# Altium PCB pay-optical-tls2591.PcbDoc (part 1 of 4) (continued)
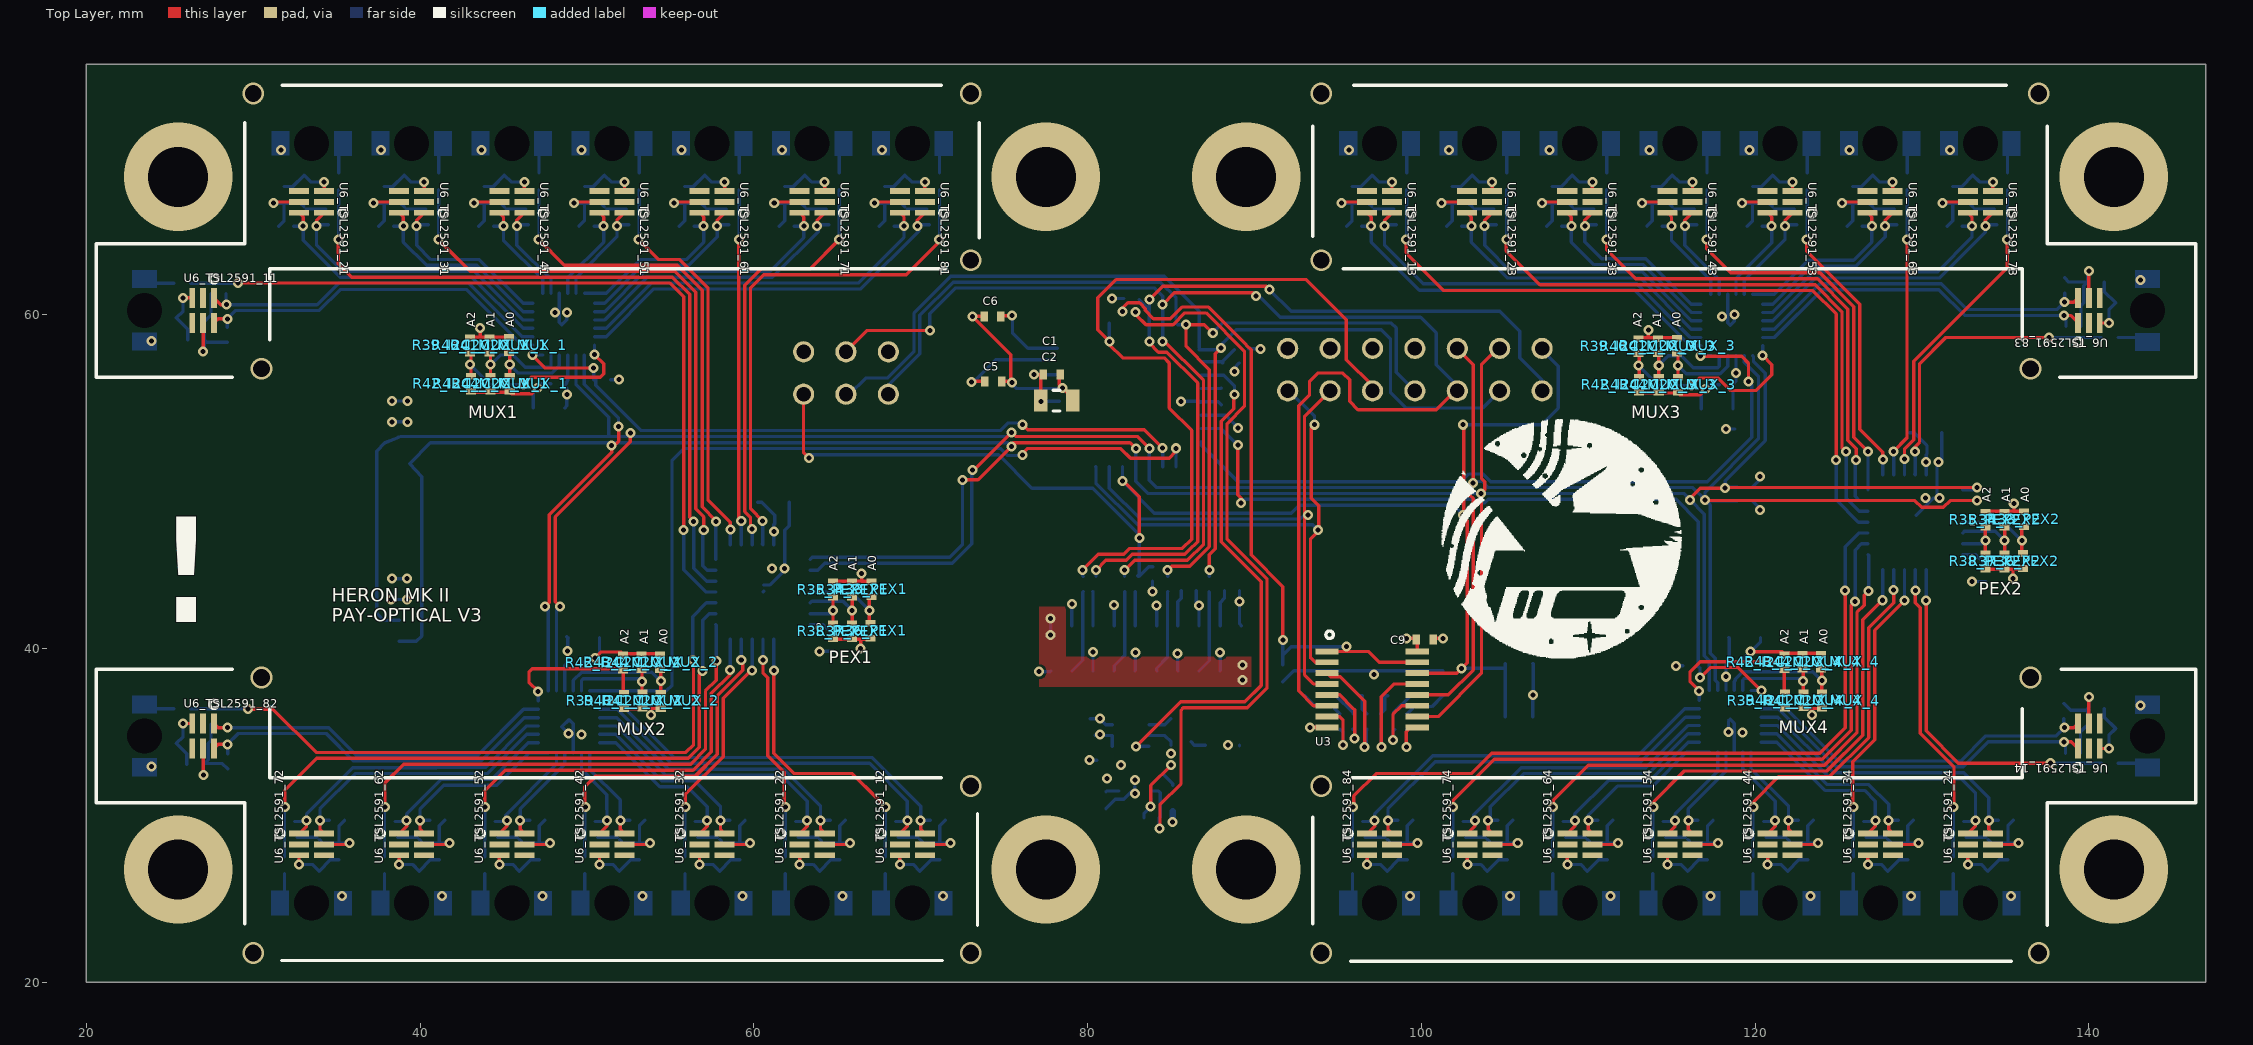
[diagram p0: Top Layer view]
## Classes and differential pairs
channel class TSL2591: TSL2591_11 TSL2591_12 TSL2591_13 TSL2591_14 TSL2591_21 TSL2591_22 TSL2591_23 TSL2591_24 TSL2591_31 TSL2591_32 TSL2591_33 TSL2591_34 TSL2591_41 TSL2591_42 TSL2591_43 TSL2591_44 TSL2591_51 TSL2591_52 TSL2591_53 TSL2591_54 TSL2591_61 TSL2591_62 TSL2591_63 TSL2591_64 TSL2591_71 TSL2591_72 TSL2591_73 TSL2591_74 TSL2591_81 TSL2591_82 TSL2591_83 TSL2591_84
channel class "Sensor Bank": SENS1 SENS2 SENS3 SENS4
channel class "Port Expander": PEX1 PEX2
channel class "I2C Mux": I2C_MUX_1 I2C_MUX_2 I2C_MUX_3 I2C_MUX_4
component class TSL2591_84: C11_TSL2591_84 C13_TSL2591_84 D7_TSL2591_84 R22_TSL2591_84 R23_TSL2591_84 R24_TSL2591_84 U6_TSL2591_84
component class TSL2591_83: C11_TSL2591_83 C13_TSL2591_83 D7_TSL2591_83 R22_TSL2591_83 R23_TSL2591_83 R24_TSL2591_83 U6_TSL2591_83
component class TSL2591_82: C11_TSL2591_82 C13_TSL2591_82 D7_TSL2591_82 R22_TSL2591_82 R23_TSL2591_82 R24_TSL2591_82 U6_TSL2591_82
component class TSL2591_81: C11_TSL2591_81 C13_TSL2591_81 D7_TSL2591_81 R22_TSL2591_81 R23_TSL2591_81 R24_TSL2591_81 U6_TSL2591_81
component class TSL2591_74: C11_TSL2591_74 C13_TSL2591_74 D7_TSL2591_74 R22_TSL2591_74 R23_TSL2591_74 R24_TSL2591_74 U6_TSL2591_74
component class TSL2591_73: C11_TSL2591_73 C13_TSL2591_73 D7_TSL2591_73 R22_TSL2591_73 R23_TSL2591_73 R24_TSL2591_73 U6_TSL2591_73
component class TSL2591_72: C11_TSL2591_72 C13_TSL2591_72 D7_TSL2591_72 R22_TSL2591_72 R23_TSL2591_72 R24_TSL2591_72 U6_TSL2591_72
component class TSL2591_71: C11_TSL2591_71 C13_TSL2591_71 D7_TSL2591_71 R22_TSL2591_71 R23_TSL2591_71 R24_TSL2591_71 U6_TSL2591_71
component class TSL2591_64: C11_TSL2591_64 C13_TSL2591_64 D7_TSL2591_64 R22_TSL2591_64 R23_TSL2591_64 R24_TSL2591_64 U6_TSL2591_64
component class TSL2591_63: C11_TSL2591_63 C13_TSL2591_63 D7_TSL2591_63 R22_TSL2591_63 R23_TSL2591_63 R24_TSL2591_63 U6_TSL2591_63
component class TSL2591_62: C11_TSL2591_62 C13_TSL2591_62 D7_TSL2591_62 R22_TSL2591_62 R23_TSL2591_62 R24_TSL2591_62 U6_TSL2591_62
component class TSL2591_61: C11_TSL2591_61 C13_TSL2591_61 D7_TSL2591_61 R22_TSL2591_61 R23_TSL2591_61 R24_TSL2591_61 U6_TSL2591_61
component class TSL2591_54: C11_TSL2591_54 C13_TSL2591_54 D7_TSL2591_54 R22_TSL2591_54 R23_TSL2591_54 R24_TSL2591_54 U6_TSL2591_54
component class TSL2591_53: C11_TSL2591_53 C13_TSL2591_53 D7_TSL2591_53 R22_TSL2591_53 R23_TSL2591_53 R24_TSL2591_53 U6_TSL2591_53
component class TSL2591_52: C11_TSL2591_52 C13_TSL2591_52 D7_TSL2591_52 R22_TSL2591_52 R23_TSL2591_52 R24_TSL2591_52 U6_TSL2591_52
component class TSL2591_51: C11_TSL2591_51 C13_TSL2591_51 D7_TSL2591_51 R22_TSL2591_51 R23_TSL2591_51 R24_TSL2591_51 U6_TSL2591_51
component class TSL2591_44: C11_TSL2591_44 C13_TSL2591_44 D7_TSL2591_44 R22_TSL2591_44 R23_TSL2591_44 R24_TSL2591_44 U6_TSL2591_44
component class TSL2591_43: C11_TSL2591_43 C13_TSL2591_43 D7_TSL2591_43 R22_TSL2591_43 R23_TSL2591_43 R24_TSL2591_43 U6_TSL2591_43
component class TSL2591_42: C11_TSL2591_42 C13_TSL2591_42 D7_TSL2591_42 R22_TSL2591_42 R23_TSL2591_42 R24_TSL2591_42 U6_TSL2591_42
component class TSL2591_41: C11_TSL2591_41 C13_TSL2591_41 D7_TSL2591_41 R22_TSL2591_41 R23_TSL2591_41 R24_TSL2591_41 U6_TSL2591_41
component class TSL2591_34: C11_TSL2591_34 C13_TSL2591_34 D7_TSL2591_34 R22_TSL2591_34 R23_TSL2591_34 R24_TSL2591_34 U6_TSL2591_34
component class TSL2591_33: C11_TSL2591_33 C13_TSL2591_33 D7_TSL2591_33 R22_TSL2591_33 R23_TSL2591_33 R24_TSL2591_33 U6_TSL2591_33
component class TSL2591_32: C11_TSL2591_32 C13_TSL2591_32 D7_TSL2591_32 R22_TSL2591_32 R23_TSL2591_32 R24_TSL2591_32 U6_TSL2591_32
component class TSL2591_31: C11_TSL2591_31 C13_TSL2591_31 D7_TSL2591_31 R22_TSL2591_31 R23_TSL2591_31 R24_TSL2591_31 U6_TSL2591_31
component class TSL2591_24: C11_TSL2591_24 C13_TSL2591_24 D7_TSL2591_24 R22_TSL2591_24 R23_TSL2591_24 R24_TSL2591_24 U6_TSL2591_24
component class TSL2591_23: C11_TSL2591_23 C13_TSL2591_23 D7_TSL2591_23 R22_TSL2591_23 R23_TSL2591_23 R24_TSL2591_23 U6_TSL2591_23
component class TSL2591_22: C11_TSL2591_22 C13_TSL2591_22 D7_TSL2591_22 R22_TSL2591_22 R23_TSL2591_22 R24_TSL2591_22 U6_TSL2591_22
component class TSL2591_21: C11_TSL2591_21 C13_TSL2591_21 D7_TSL2591_21 R22_TSL2591_21 R23_TSL2591_21 R24_TSL2591_21 U6_TSL2591_21
component class TSL2591_14: C11_TSL2591_14 C13_TSL2591_14 D7_TSL2591_14 R22_TSL2591_14 R23_TSL2591_14 R24_TSL2591_14 U6_TSL2591_14
component class TSL2591_13: C11_TSL2591_13 C13_TSL2591_13 D7_TSL2591_13 R22_TSL2591_13 R23_TSL2591_13 R24_TSL2591_13 U6_TSL2591_13
component class TSL2591_12: C11_TSL2591_12 C13_TSL2591_12 D7_TSL2591_12 R22_TSL2591_12 R23_TSL2591_12 R24_TSL2591_12 U6_TSL2591_12
component class TSL2591_11: C11_TSL2591_11 C13_TSL2591_11 D7_TSL2591_11 R22_TSL2591_11 R23_TSL2591_11 R24_TSL2591_11 U6_TSL2591_11
component class TOP: J2 J3 LED1 LED2 R4 R5 R14 R15 R16 R17 R18 R19 R20 R21
component class PEX2: C12_PEX2 C15_PEX2 R32_PEX2 R33_PEX2 R34_PEX2 R35_PEX2 R36_PEX2 R37_PEX2 R38_PEX2 U5_PEX2
component class PEX1: C12_PEX1 C15_PEX1 R32_PEX1 R33_PEX1 R34_PEX1 R35_PEX1 R36_PEX1 R37_PEX1 R38_PEX1 U5_PEX1
component class MICRO: C1 C2 C3 C4 C5 C6 J1 R1 R2 R3 S1 U1 Y1
component class LEDs: C9 D1 D2 D3 D4 D5 D6 R7 R8 R9 R10 R11 R12 R13 U3
component class PWR: C7 C8 C16 C17 C18 C19 C20 L1 R6 R25 R26 R27 U2 U7
component class I2C_MUX_4: C10_I2C_MUX_4 C14_I2C_MUX_4 R39_I2C_MUX_4 R40_I2C_MUX_4 R41_I2C_MUX_4 R42_I2C_MUX_4 R43_I2C_MUX_4 R44_I2C_MUX_4 R45_I2C_MUX_4 U4_I2C_MUX_4
component class I2C_MUX_3: C10_I2C_MUX_3 C14_I2C_MUX_3 R39_I2C_MUX_3 R40_I2C_MUX_3 R41_I2C_MUX_3 R42_I2C_MUX_3 R43_I2C_MUX_3 R44_I2C_MUX_3 R45_I2C_MUX_3 U4_I2C_MUX_3
component class I2C_MUX_2: C10_I2C_MUX_2 C14_I2C_MUX_2 R39_I2C_MUX_2 R40_I2C_MUX_2 R41_I2C_MUX_2 R42_I2C_MUX_2 R43_I2C_MUX_2 R44_I2C_MUX_2 R45_I2C_MUX_2 U4_I2C_MUX_2
component class I2C_MUX_1: C10_I2C_MUX_1 C14_I2C_MUX_1 R39_I2C_MUX_1 R40_I2C_MUX_1 R41_I2C_MUX_1 R42_I2C_MUX_1 R43_I2C_MUX_1 R44_I2C_MUX_1 R45_I2C_MUX_1 U4_I2C_MUX_1

## Components (designator, comment, footprint, x,y, rotation, side; value= is the part's Value field where it differs from the comment)
C1 "0402" CAP0402R 77.85,56.4 r180 top value=0.1uF
C2 "0805" CAP0805R 78.15,54.85 r180 top value=10uF
C3 "0402" CAP0402R 88,55.15 r90 bottom value=0.1uF
C4 "0402" CAP0402R 88.6,57.1 r180 bottom value=0.1uF
C5 "0402" CAP0402R 74.35,56 r180 top value=22pF
C6 "0402" CAP0402R 74.3,59.9 r0 top value=22pF
C7 "0402" CAP0402R 87.45,35.1 r180 bottom value=10000pF
C8 "0603" CAP0603R 86.2,35.1 r90 bottom value=1uF
C9 "0402" CAP0402R 100.2,40.538 r180 top value=0.1uF
C10_I2C_MUX_1 "0402" CAP0402R 48.25,55.851 r0 bottom value=0.1uF (schematic designator C10)
C10_I2C_MUX_2 "0402" CAP0402R 49.276,39.175 r180 bottom value=0.1uF (schematic designator C10)
C10_I2C_MUX_3 "0402" CAP0402R 118.249,55.854 r0 bottom value=0.1uF (schematic designator C10)
C10_I2C_MUX_4 "0402" CAP0402R 118.85,39.199 r180 bottom value=0.1uF (schematic designator C10)
C11_TSL2591_11 "0805" CAP0805R 26.349,59.801 r0 bottom value=10uF (schematic designator C11)
C11_TSL2591_12 "0805" CAP0805R 69.949,27.599 r90 bottom value=10uF (schematic designator C11)
C11_TSL2591_13 "0805" CAP0805R 97.043,67.401 r270 bottom value=10uF (schematic designator C11)
C11_TSL2591_14 "0805" CAP0805R 140.651,35.199 r180 bottom value=10uF (schematic designator C11)
C11_TSL2591_21 "0805" CAP0805R 33.051,67.401 r270 bottom value=10uF (schematic designator C11)
C11_TSL2591_22 "0805" CAP0805R 63.949,27.599 r90 bottom value=10uF (schematic designator C11)
C11_TSL2591_23 "0805" CAP0805R 103.043,67.401 r270 bottom value=10uF (schematic designator C11)
C11_TSL2591_24 "0805" CAP0805R 133.949,27.599 r90 bottom value=10uF (schematic designator C11)
C11_TSL2591_31 "0805" CAP0805R 39.051,67.401 r270 bottom value=10uF (schematic designator C11)
C11_TSL2591_32 "0805" CAP0805R 57.949,27.599 r90 bottom value=10uF (schematic designator C11)
C11_TSL2591_33 "0805" CAP0805R 109.043,67.401 r270 bottom value=10uF (schematic designator C11)
C11_TSL2591_34 "0805" CAP0805R 127.949,27.599 r90 bottom value=10uF (schematic designator C11)
C11_TSL2591_41 "0805" CAP0805R 45.051,67.401 r270 bottom value=10uF (schematic designator C11)
C11_TSL2591_42 "0805" CAP0805R 51.949,27.599 r90 bottom value=10uF (schematic designator C11)
C11_TSL2591_43 "0805" CAP0805R 115.043,67.401 r270 bottom value=10uF (schematic designator C11)
C11_TSL2591_44 "0805" CAP0805R 121.949,27.599 r90 bottom value=10uF (schematic designator C11)
C11_TSL2591_51 "0805" CAP0805R 51.051,67.401 r270 bottom value=10uF (schematic designator C11)
C11_TSL2591_52 "0805" CAP0805R 45.949,27.599 r90 bottom value=10uF (schematic designator C11)
C11_TSL2591_53 "0805" CAP0805R 121.043,67.401 r270 bottom value=10uF (schematic designator C11)
C11_TSL2591_54 "0805" CAP0805R 115.949,27.599 r90 bottom value=10uF (schematic designator C11)
C11_TSL2591_61 "0805" CAP0805R 57.051,67.401 r270 bottom value=10uF (schematic designator C11)
C11_TSL2591_62 "0805" CAP0805R 39.949,27.599 r90 bottom value=10uF (schematic designator C11)
C11_TSL2591_63 "0805" CAP0805R 127.043,67.401 r270 bottom value=10uF (schematic designator C11)
C11_TSL2591_64 "0805" CAP0805R 109.949,27.599 r90 bottom value=10uF (schematic designator C11)
C11_TSL2591_71 "0805" CAP0805R 63.051,67.401 r270 bottom value=10uF (schematic designator C11)
C11_TSL2591_72 "0805" CAP0805R 33.949,27.599 r90 bottom value=10uF (schematic designator C11)
C11_TSL2591_73 "0805" CAP0805R 133.043,67.401 r270 bottom value=10uF (schematic designator C11)
C11_TSL2591_74 "0805" CAP0805R 103.949,27.599 r90 bottom value=10uF (schematic designator C11)
C11_TSL2591_81 "0805" CAP0805R 69.051,67.401 r270 bottom value=10uF (schematic designator C11)
C11_TSL2591_82 "0805" CAP0805R 26.349,34.301 r0 bottom value=10uF (schematic designator C11)
C11_TSL2591_83 "0805" CAP0805R 140.651,60.698 r180 bottom value=10uF (schematic designator C11)
C11_TSL2591_84 "0805" CAP0805R 97.949,27.599 r90 bottom value=10uF (schematic designator C11)
C12_PEX1 "0805" CAP0805R 61.171,48.947 r180 bottom value=10uF (schematic designator C12)
C12_PEX2 "0805" CAP0805R 130.223,52.93 r180 bottom value=10uF (schematic designator C12)
C13_TSL2591_11 "0402" CAP0402R 26.574,58.501 r0 bottom value=0.1uF (schematic designator C13)
C13_TSL2591_12 "0402" CAP0402R 71.171,27.825 r90 bottom value=0.1uF (schematic designator C13)
C13_TSL2591_13 "0402" CAP0402R 95.821,67.175 r270 bottom value=0.1uF (schematic designator C13)
C13_TSL2591_14 "0402" CAP0402R 140.426,36.399 r180 bottom value=0.1uF (schematic designator C13)
C13_TSL2591_21 "0402" CAP0402R 31.829,67.176 r270 bottom value=0.1uF (schematic designator C13)
C13_TSL2591_22 "0402" CAP0402R 65.171,27.825 r90 bottom value=0.1uF (schematic designator C13)
C13_TSL2591_23 "0402" CAP0402R 101.821,67.175 r270 bottom value=0.1uF (schematic designator C13)
C13_TSL2591_24 "0402" CAP0402R 135.171,27.824 r90 bottom value=0.1uF (schematic designator C13)
C13_TSL2591_31 "0402" CAP0402R 37.829,67.176 r270 bottom value=0.1uF (schematic designator C13)
C13_TSL2591_32 "0402" CAP0402R 59.171,27.825 r90 bottom value=0.1uF (schematic designator C13)
C13_TSL2591_33 "0402" CAP0402R 107.821,67.175 r270 bottom value=0.1uF (schematic designator C13)
C13_TSL2591_34 "0402" CAP0402R 129.171,27.824 r90 bottom value=0.1uF (schematic designator C13)
C13_TSL2591_41 "0402" CAP0402R 43.829,67.176 r270 bottom value=0.1uF (schematic designator C13)
C13_TSL2591_42 "0402" CAP0402R 53.171,27.825 r90 bottom value=0.1uF (schematic designator C13)
C13_TSL2591_43 "0402" CAP0402R 113.821,67.175 r270 bottom value=0.1uF (schematic designator C13)
C13_TSL2591_44 "0402" CAP0402R 123.171,27.824 r90 bottom value=0.1uF (schematic designator C13)
C13_TSL2591_51 "0402" CAP0402R 49.829,67.176 r270 bottom value=0.1uF (schematic designator C13)
C13_TSL2591_52 "0402" CAP0402R 47.171,27.825 r90 bottom value=0.1uF (schematic designator C13)
C13_TSL2591_53 "0402" CAP0402R 119.821,67.175 r270 bottom value=0.1uF (schematic designator C13)
C13_TSL2591_54 "0402" CAP0402R 117.171,27.824 r90 bottom value=0.1uF (schematic designator C13)
C13_TSL2591_61 "0402" CAP0402R 55.829,67.176 r270 bottom value=0.1uF (schematic designator C13)
C13_TSL2591_62 "0402" CAP0402R 41.171,27.825 r90 bottom value=0.1uF (schematic designator C13)
C13_TSL2591_63 "0402" CAP0402R 125.821,67.175 r270 bottom value=0.1uF (schematic designator C13)
C13_TSL2591_64 "0402" CAP0402R 111.171,27.824 r90 bottom value=0.1uF (schematic designator C13)
C13_TSL2591_71 "0402" CAP0402R 61.829,67.176 r270 bottom value=0.1uF (schematic designator C13)
C13_TSL2591_72 "0402" CAP0402R 35.171,27.825 r90 bottom value=0.1uF (schematic designator C13)
C13_TSL2591_73 "0402" CAP0402R 131.821,67.175 r270 bottom value=0.1uF (schematic designator C13)
C13_TSL2591_74 "0402" CAP0402R 105.171,27.824 r90 bottom value=0.1uF (schematic designator C13)
C13_TSL2591_81 "0402" CAP0402R 67.829,67.176 r270 bottom value=0.1uF (schematic designator C13)
C13_TSL2591_82 "0402" CAP0402R 26.523,33.058 r0 bottom value=0.1uF (schematic designator C13)
C13_TSL2591_83 "0402" CAP0402R 140.425,61.949 r180 bottom value=0.1uF (schematic designator C13)
C13_TSL2591_84 "0402" CAP0402R 99.171,27.824 r90 bottom value=0.1uF (schematic designator C13)
C14_I2C_MUX_1 "0805" CAP0805R 47.825,54.2 r0 bottom value=10uF (schematic designator C14)
C14_I2C_MUX_2 "0805" CAP0805R 49.873,40.827 r180 bottom value=10uF (schematic designator C14)
C14_I2C_MUX_3 "0805" CAP0805R 117.774,54.603 r0 bottom value=10uF (schematic designator C14)
C14_I2C_MUX_4 "0805" CAP0805R 119.174,40.475 r180 bottom value=10uF (schematic designator C14)
C15_PEX1 "0402" CAP0402R 61.746,47.676 r180 bottom value=0.1uF (schematic designator C15)
C15_PEX2 "0402" CAP0402R 130.798,51.66 r180 bottom value=0.1uF (schematic designator C15)
C16 "0603" CAP0603R 85.1,30.932 r90 bottom value=1uF
C17 "0805" CAP0805R 89.35,35.1 r90 bottom value=10uF
C18 "0402" CAP0402R 81.05,33.3 r0 bottom value=0.1uF
C19 "0402 25V" CAP0402R 81.1,30.9 r90 bottom value=220pF
C20 "0402" CAP0402R 80.155,35.287 r270 bottom value=0.1uF
D1 "ORANGE" LED0603 96.319,37.916 r90 bottom
D2 "ORANGE" LED0603 94.663,37.916 r90 bottom
D3 "GREEN" LED0603 93.006,37.916 r90 bottom
D4 "BLUE" LED0603 101.29,37.916 r90 bottom
D5 "BLUE" LED0603 99.633,37.916 r90 bottom
D6 "GREEN" LED0603 97.976,37.916 r90 bottom
D7_TSL2591_11 "LBP4SG" "LB P4SG" 23.5,60.25 r270 bottom (schematic designator D7)
D7_TSL2591_12 "LBP4SG" "LB P4SG" 69.5,24.75 r0 bottom (schematic designator D7)
D7_TSL2591_13 "LBP4SG" "LB P4SG" 97.492,70.25 r180 bottom (schematic designator D7)
D7_TSL2591_14 "LBP4SG" "LB P4SG" 143.5,34.75 r90 bottom (schematic designator D7)
D7_TSL2591_21 "LBP4SG" "LB P4SG" 33.5,70.25 r180 bottom (schematic designator D7)
D7_TSL2591_22 "LBP4SG" "LB P4SG" 63.5,24.75 r0 bottom (schematic designator D7)
D7_TSL2591_23 "LBP4SG" "LB P4SG" 103.492,70.25 r180 bottom (schematic designator D7)
D7_TSL2591_24 "LBP4SG" "LB P4SG" 133.5,24.75 r0 bottom (schematic designator D7)
D7_TSL2591_31 "LBP4SG" "LB P4SG" 39.5,70.25 r180 bottom (schematic designator D7)
D7_TSL2591_32 "LBP4SG" "LB P4SG" 57.5,24.75 r0 bottom (schematic designator D7)
D7_TSL2591_33 "LBP4SG" "LB P4SG" 109.492,70.25 r180 bottom (schematic designator D7)
D7_TSL2591_34 "LBP4SG" "LB P4SG" 127.5,24.75 r0 bottom (schematic designator D7)
D7_TSL2591_41 "LBP4SG" "LB P4SG" 45.5,70.25 r180 bottom (schematic designator D7)
D7_TSL2591_42 "LBP4SG" "LB P4SG" 51.5,24.75 r0 bottom (schematic designator D7)
D7_TSL2591_43 "LBP4SG" "LB P4SG" 115.492,70.25 r180 bottom (schematic designator D7)
D7_TSL2591_44 "LBP4SG" "LB P4SG" 121.5,24.75 r0 bottom (schematic designator D7)
D7_TSL2591_51 "LBP4SG" "LB P4SG" 51.5,70.25 r180 bottom (schematic designator D7)
D7_TSL2591_52 "LBP4SG" "LB P4SG" 45.5,24.75 r0 bottom (schematic designator D7)
D7_TSL2591_53 "LBP4SG" "LB P4SG" 121.492,70.25 r180 bottom (schematic designator D7)
D7_TSL2591_54 "LBP4SG" "LB P4SG" 115.5,24.75 r0 bottom (schematic designator D7)
D7_TSL2591_61 "LBP4SG" "LB P4SG" 57.5,70.25 r180 bottom (schematic designator D7)
D7_TSL2591_62 "LBP4SG" "LB P4SG" 39.5,24.75 r0 bottom (schematic designator D7)
D7_TSL2591_63 "LBP4SG" "LB P4SG" 127.492,70.25 r180 bottom (schematic designator D7)
D7_TSL2591_64 "LBP4SG" "LB P4SG" 109.5,24.75 r0 bottom (schematic designator D7)
D7_TSL2591_71 "LBP4SG" "LB P4SG" 63.5,70.25 r180 bottom (schematic designator D7)
D7_TSL2591_72 "LBP4SG" "LB P4SG" 33.5,24.75 r0 bottom (schematic designator D7)
D7_TSL2591_73 "LBP4SG" "LB P4SG" 133.492,70.25 r180 bottom (schematic designator D7)
D7_TSL2591_74 "LBP4SG" "LB P4SG" 103.5,24.75 r0 bottom (schematic designator D7)
D7_TSL2591_81 "LBP4SG" "LB P4SG" 69.5,70.25 r180 bottom (schematic designator D7)
D7_TSL2591_82 "LBP4SG" "LB P4SG" 23.5,34.75 r270 bottom (schematic designator D7)
D7_TSL2591_83 "LBP4SG" "LB P4SG" 143.5,60.249 r90 bottom (schematic designator D7)
D7_TSL2591_84 "LBP4SG" "LB P4SG" 97.5,24.75 r0 bottom (schematic designator D7)
J1 "SLW-103-01-G-D" SLW-103-01-X-D 65.522,56.5 r0 bottom
J2 "SLW-107-01-G-D" SLW-107-01-X-D 99.613,56.7 r180 bottom
J3 "SFMC-110-02-L-D" SFMC-110-02-L-D 83.5,40 r180 bottom locked
L1 "2A 0402" RES0402R 87.5,36 r180 bottom value="120 Ohm @ 100MHz"
LED1 "DF13-4P" DF13A-4P-1.25H(51) 36.807,43.55 r270 bottom
LED2 "DF13-4P" DF13A-4P-1.25H(51) 36.863,54.2 r270 bottom
R1 "0402" RES0402R 89.2,57.95 r0 bottom value=10
R2 "0402" RES0402R 83.887,44.462 r270 bottom value=30K
R3 "0402" RES0402R 82.635,60.96 r180 bottom value=30K
R4 "0402" RES0402R 86.053,43.453 r0 bottom value=100
R5 "0402" RES0402R 88.653,43.454 r0 bottom value=100
R6 "0402" RES0402R 87.5,34.2 r180 bottom value=2
R7 "0402" RES0402R 91.654,38.484 r90 bottom value=10K
R8 "0402" RES0402R 96.704,35.616 r270 bottom value=330
R9 "0402" RES0402R 95.898,35.616 r270 bottom value=330
R10 "0402" RES0402R 95.086,35.642 r270 bottom value=330
R11 "0402" RES0402R 99.229,35.592 r270 bottom value=330
R12 "0402" RES0402R 98.4,35.592 r270 bottom value=330
R13 "0402" RES0402R 97.594,35.609 r270 bottom value=330
R14 "0402" RES0402R 119.374,48.85 r0 bottom value=1K5
R15 "0402" RES0402R 119.374,49.65 r0 bottom value=1K5
R16 "0402" RES0402R 79.737,43.753 r270 bottom value=100
R17 "0402" RES0402R 80.506,43.753 r90 bottom value=100
R18 "0402" RES0402R 82.214,43.753 r270 bottom value=100
R19 "0402" RES0402R 83.055,43.753 r90 bottom value=100
R20 "0402" RES0402R 84.797,43.753 r270 bottom value=100
R21 "0402" RES0402R 87.273,43.753 r270 bottom value=100
R22_TSL2591_11 "0402" RES0402R 28.449,58.799 r270 bottom value=1K5 (schematic designator R22)
R22_TSL2591_12 "0402" RES0402R 71.026,29.702 r0 bottom value=1K5 (schematic designator R22)
R22_TSL2591_13 "0402" RES0402R 95.966,65.298 r180 bottom value=1K5 (schematic designator R22)
R22_TSL2591_14 "0402" RES0402R 138.501,36.251 r90 bottom value=1K5 (schematic designator R22)
R22_TSL2591_21 "0402" RES0402R 31.974,65.298 r180 bottom value=1K5 (schematic designator R22)
R22_TSL2591_22 "0402" RES0402R 65.026,29.702 r0 bottom value=1K5 (schematic designator R22)
R22_TSL2591_23 "0402" RES0402R 101.966,65.298 r180 bottom value=1K5 (schematic designator R22)
R22_TSL2591_24 "0402" RES0402R 135.026,29.702 r0 bottom value=1K5 (schematic designator R22)
R22_TSL2591_31 "0402" RES0402R 37.974,65.298 r180 bottom value=1K5 (schematic designator R22)
R22_TSL2591_32 "0402" RES0402R 59.026,29.702 r0 bottom value=1K5 (schematic designator R22)
R22_TSL2591_33 "0402" RES0402R 107.966,65.298 r180 bottom value=1K5 (schematic designator R22)
R22_TSL2591_34 "0402" RES0402R 129.026,29.702 r0 bottom value=1K5 (schematic designator R22)
R22_TSL2591_41 "0402" RES0402R 43.974,65.298 r180 bottom value=1K5 (schematic designator R22)
R22_TSL2591_42 "0402" RES0402R 53.026,29.702 r0 bottom value=1K5 (schematic designator R22)
R22_TSL2591_43 "0402" RES0402R 113.966,65.298 r180 bottom value=1K5 (schematic designator R22)
R22_TSL2591_44 "0402" RES0402R 123.026,29.702 r0 bottom value=1K5 (schematic designator R22)
R22_TSL2591_51 "0402" RES0402R 49.974,65.298 r180 bottom value=1K5 (schematic designator R22)
R22_TSL2591_52 "0402" RES0402R 47.026,29.702 r0 bottom value=1K5 (schematic designator R22)
R22_TSL2591_53 "0402" RES0402R 119.966,65.298 r180 bottom value=1K5 (schematic designator R22)
R22_TSL2591_54 "0402" RES0402R 117.026,29.702 r0 bottom value=1K5 (schematic designator R22)
R22_TSL2591_61 "0402" RES0402R 55.974,65.298 r180 bottom value=1K5 (schematic designator R22)
R22_TSL2591_62 "0402" RES0402R 41.026,29.702 r0 bottom value=1K5 (schematic designator R22)
R22_TSL2591_63 "0402" RES0402R 125.966,65.298 r180 bottom value=1K5 (schematic designator R22)
R22_TSL2591_64 "0402" RES0402R 111.026,29.702 r0 bottom value=1K5 (schematic designator R22)
R22_TSL2591_71 "0402" RES0402R 61.974,65.298 r180 bottom value=1K5 (schematic designator R22)
R22_TSL2591_72 "0402" RES0402R 35.026,29.702 r0 bottom value=1K5 (schematic designator R22)
R22_TSL2591_73 "0402" RES0402R 131.966,65.298 r180 bottom value=1K5 (schematic designator R22)
R22_TSL2591_74 "0402" RES0402R 105.026,29.702 r0 bottom value=1K5 (schematic designator R22)
R22_TSL2591_81 "0402" RES0402R 67.974,65.298 r180 bottom value=1K5 (schematic designator R22)
R22_TSL2591_82 "0402" RES0402R 28.473,33.229 r270 bottom value=1K5 (schematic designator R22)
R22_TSL2591_83 "0402" RES0402R 138.551,61.749 r90 bottom value=1K5 (schematic designator R22)
R22_TSL2591_84 "0402" RES0402R 99.026,29.702 r0 bottom value=1K5 (schematic designator R22)
R23_TSL2591_11 "0402" RES0402R 27.924,61.253 r180 bottom value=1K5 (schematic designator R23)
R23_TSL2591_12 "0402" RES0402R 68.497,29.174 r270 bottom value=1K5 (schematic designator R23)
R23_TSL2591_13 "0402" RES0402R 98.495,65.826 r90 bottom value=1K5 (schematic designator R23)
R23_TSL2591_14 "0402" RES0402R 139.076,33.747 r0 bottom value=1K5 (schematic designator R23)
R23_TSL2591_21 "0402" RES0402R 34.503,65.826 r90 bottom value=1K5 (schematic designator R23)
R23_TSL2591_22 "0402" RES0402R 62.497,29.174 r270 bottom value=1K5 (schematic designator R23)
R23_TSL2591_23 "0402" RES0402R 104.495,65.826 r90 bottom value=1K5 (schematic designator R23)
R23_TSL2591_24 "0402" RES0402R 132.498,29.174 r270 bottom value=1K5 (schematic designator R23)
R23_TSL2591_31 "0402" RES0402R 40.503,65.826 r90 bottom value=1K5 (schematic designator R23)
R23_TSL2591_32 "0402" RES0402R 56.497,29.174 r270 bottom value=1K5 (schematic designator R23)
R23_TSL2591_33 "0402" RES0402R 110.495,65.826 r90 bottom value=1K5 (schematic designator R23)
R23_TSL2591_34 "0402" RES0402R 126.498,29.174 r270 bottom value=1K5 (schematic designator R23)
R23_TSL2591_41 "0402" RES0402R 46.503,65.826 r90 bottom value=1K5 (schematic designator R23)
R23_TSL2591_42 "0402" RES0402R 50.497,29.174 r270 bottom value=1K5 (schematic designator R23)
R23_TSL2591_43 "0402" RES0402R 116.495,65.826 r90 bottom value=1K5 (schematic designator R23)
R23_TSL2591_44 "0402" RES0402R 120.498,29.174 r270 bottom value=1K5 (schematic designator R23)
R23_TSL2591_51 "0402" RES0402R 52.503,65.826 r90 bottom value=1K5 (schematic designator R23)
R23_TSL2591_52 "0402" RES0402R 44.497,29.174 r270 bottom value=1K5 (schematic designator R23)
R23_TSL2591_53 "0402" RES0402R 122.495,65.826 r90 bottom value=1K5 (schematic designator R23)
R23_TSL2591_54 "0402" RES0402R 114.498,29.174 r270 bottom value=1K5 (schematic designator R23)
R23_TSL2591_61 "0402" RES0402R 58.503,65.826 r90 bottom value=1K5 (schematic designator R23)
R23_TSL2591_62 "0402" RES0402R 38.497,29.174 r270 bottom value=1K5 (schematic designator R23)
R23_TSL2591_63 "0402" RES0402R 128.495,65.826 r90 bottom value=1K5 (schematic designator R23)
R23_TSL2591_64 "0402" RES0402R 108.498,29.174 r270 bottom value=1K5 (schematic designator R23)
R23_TSL2591_71 "0402" RES0402R 64.503,65.826 r90 bottom value=1K5 (schematic designator R23)
R23_TSL2591_72 "0402" RES0402R 32.497,29.174 r270 bottom value=1K5 (schematic designator R23)
R23_TSL2591_73 "0402" RES0402R 134.495,65.826 r90 bottom value=1K5 (schematic designator R23)
R23_TSL2591_74 "0402" RES0402R 102.498,29.174 r270 bottom value=1K5 (schematic designator R23)
R23_TSL2591_81 "0402" RES0402R 70.503,65.826 r90 bottom value=1K5 (schematic designator R23)
R23_TSL2591_82 "0402" RES0402R 27.924,35.453 r180 bottom value=1K5 (schematic designator R23)
R23_TSL2591_83 "0402" RES0402R 139.076,59.296 r0 bottom value=1K5 (schematic designator R23)
R23_TSL2591_84 "0402" RES0402R 96.498,29.174 r270 bottom value=1K5 (schematic designator R23)
R24_TSL2591_11 "0402" RES0402R 25.758,61.875 r180 bottom value=330 (schematic designator R24)
R24_TSL2591_12 "0402" RES0402R 67.875,27.009 r270 bottom value=330 (schematic designator R24)
R24_TSL2591_13 "0402" RES0402R 99.117,67.991 r90 bottom value=330 (schematic designator R24)
R24_TSL2591_14 "0402" RES0402R 141.242,33.125 r0 bottom value=330 (schematic designator R24)
R24_TSL2591_21 "0402" RES0402R 35.125,67.992 r90 bottom value=330 (schematic designator R24)
R24_TSL2591_22 "0402" RES0402R 61.875,27.009 r270 bottom value=330 (schematic designator R24)
R24_TSL2591_23 "0402" RES0402R 105.117,67.991 r90 bottom value=330 (schematic designator R24)
R24_TSL2591_24 "0402" RES0402R 131.875,27.008 r270 bottom value=330 (schematic designator R24)
R24_TSL2591_31 "0402" RES0402R 41.125,67.992 r90 bottom value=330 (schematic designator R24)
R24_TSL2591_32 "0402" RES0402R 55.875,27.009 r270 bottom value=330 (schematic designator R24)
R24_TSL2591_33 "0402" RES0402R 111.117,67.991 r90 bottom value=330 (schematic designator R24)
R24_TSL2591_34 "0402" RES0402R 125.875,27.008 r270 bottom value=330 (schematic designator R24)
R24_TSL2591_41 "0402" RES0402R 47.125,67.992 r90 bottom value=330 (schematic designator R24)
R24_TSL2591_42 "0402" RES0402R 49.875,27.009 r270 bottom value=330 (schematic designator R24)
R24_TSL2591_43 "0402" RES0402R 117.117,67.991 r90 bottom value=330 (schematic designator R24)
R24_TSL2591_44 "0402" RES0402R 119.875,27.008 r270 bottom value=330 (schematic designator R24)
R24_TSL2591_51 "0402" RES0402R 53.125,67.992 r90 bottom value=330 (schematic designator R24)
R24_TSL2591_52 "0402" RES0402R 43.875,27.009 r270 bottom value=330 (schematic designator R24)
R24_TSL2591_53 "0402" RES0402R 123.117,67.991 r90 bottom value=330 (schematic designator R24)
R24_TSL2591_54 "0402" RES0402R 113.875,27.008 r270 bottom value=330 (schematic designator R24)
R24_TSL2591_61 "0402" RES0402R 59.125,67.992 r90 bottom value=330 (schematic designator R24)
R24_TSL2591_62 "0402" RES0402R 37.875,27.009 r270 bottom value=330 (schematic designator R24)
R24_TSL2591_63 "0402" RES0402R 129.117,67.991 r90 bottom value=330 (schematic designator R24)
R24_TSL2591_64 "0402" RES0402R 107.875,27.008 r270 bottom value=330 (schematic designator R24)
R24_TSL2591_71 "0402" RES0402R 65.125,67.992 r90 bottom value=330 (schematic designator R24)
R24_TSL2591_72 "0402" RES0402R 31.875,27.009 r270 bottom value=330 (schematic designator R24)
R24_TSL2591_73 "0402" RES0402R 135.117,67.991 r90 bottom value=330 (schematic designator R24)
R24_TSL2591_74 "0402" RES0402R 101.875,27.008 r270 bottom value=330 (schematic designator R24)
R24_TSL2591_81 "0402" RES0402R 71.125,67.992 r90 bottom value=330 (schematic designator R24)
R24_TSL2591_82 "0402" RES0402R 25.758,36.375 r180 bottom value=330 (schematic designator R24)
R24_TSL2591_83 "0402" RES0402R 141.242,58.624 r0 bottom value=330 (schematic designator R24)
R24_TSL2591_84 "0402" RES0402R 95.875,27.008 r270 bottom value=330 (schematic designator R24)
R25 "0402" RES0402R 83.834,29.85 r180 bottom value=10K
R26 "0603" RES0603R 85,35.1 r270 bottom value=10mOhm
R27 "0402" RES0402R 82.8,33.3 r0 bottom value=0
R32_PEX1 "0402" RES0402R 64.774,40.32 r270 bottom value=10K (schematic designator R32)
R32_PEX2 "0402" RES0402R 133.826,44.504 r270 bottom value=10K (schematic designator R32)
R33_PEX1 "0402" RES0402R 67.046,43.551 r90 top value=0 (schematic designator R33)
R33_PEX2 "0402" RES0402R 136.098,47.735 r90 top value=0 (schematic designator R33)
R34_PEX1 "0402" RES0402R 65.896,43.526 r90 top value=0 (schematic designator R34)
R34_PEX2 "0402" RES0402R 134.948,47.709 r90 top value=0 (schematic designator R34)
R35_PEX1 "0402" RES0402R 64.745,43.526 r90 top value=0 (schematic designator R35)
R35_PEX2 "0402" RES0402R 133.798,47.709 r90 top value=0 (schematic designator R35)
R36_PEX1 "0402" RES0402R 66.996,41.051 r90 top value=0 (schematic designator R36)
R36_PEX2 "0402" RES0402R 136.048,45.235 r90 top value=0 (schematic designator R36)
R37_PEX1 "0402" RES0402R 65.896,41.026 r90 top value=0 (schematic designator R37)
R37_PEX2 "0402" RES0402R 134.948,45.209 r90 top value=0 (schematic designator R37)
R38_PEX1 "0402" RES0402R 64.746,41.026 r90 top value=0 (schematic designator R38)
R38_PEX2 "0402" RES0402R 133.798,45.209 r90 top value=0 (schematic designator R38)
R39_I2C_MUX_1 "0402" RES0402R 43,58.15 r90 top value=0 (schematic designator R39)
R39_I2C_MUX_2 "0402" RES0402R 52.225,36.851 r270 top value=0 (schematic designator R39)
R39_I2C_MUX_3 "0402" RES0402R 113,58.103 r90 top value=0 (schematic designator R39)
R39_I2C_MUX_4 "0402" RES0402R 121.8,36.875 r270 top value=0 (schematic designator R39)
R40_I2C_MUX_1 "0402" RES0402R 44.175,58.152 r90 top value=0 (schematic designator R40)
R40_I2C_MUX_2 "0402" RES0402R 53.325,36.874 r270 top value=0 (schematic designator R40)
R40_I2C_MUX_3 "0402" RES0402R 114.175,58.105 r90 top value=0 (schematic designator R40)
R40_I2C_MUX_4 "0402" RES0402R 122.899,36.898 r270 top value=0 (schematic designator R40)
R41_I2C_MUX_1 "0402" RES0402R 45.325,58.175 r90 top value=0 (schematic designator R41)
R41_I2C_MUX_2 "0402" RES0402R 54.423,36.851 r270 top value=0 (schematic designator R41)
R41_I2C_MUX_3 "0402" RES0402R 115.324,58.128 r90 top value=0 (schematic designator R41)
R41_I2C_MUX_4 "0402" RES0402R 123.998,36.875 r270 top value=0 (schematic designator R41)
R42_I2C_MUX_1 "0402" RES0402R 43.05,55.85 r90 top value=0 (schematic designator R42)
R42_I2C_MUX_2 "0402" RES0402R 52.175,39.151 r270 top value=0 (schematic designator R42)
R42_I2C_MUX_3 "0402" RES0402R 113.05,55.803 r90 top value=0 (schematic designator R42)
R42_I2C_MUX_4 "0402" RES0402R 121.749,39.175 r270 top value=0 (schematic designator R42)
R43_I2C_MUX_1 "0402" RES0402R 44.225,55.85 r90 top value=0 (schematic designator R43)
R43_I2C_MUX_2 "0402" RES0402R 53.275,39.176 r270 top value=0 (schematic designator R43)
R43_I2C_MUX_3 "0402" RES0402R 114.225,55.803 r90 top value=0 (schematic designator R43)
R43_I2C_MUX_4 "0402" RES0402R 122.849,39.2 r270 top value=0 (schematic designator R43)
R44_I2C_MUX_1 "0402" RES0402R 45.375,55.85 r90 top value=0 (schematic designator R44)
R44_I2C_MUX_2 "0402" RES0402R 54.373,39.176 r270 top value=0 (schematic designator R44)
R44_I2C_MUX_3 "0402" RES0402R 115.375,55.803 r90 top value=0 (schematic designator R44)
R44_I2C_MUX_4 "0402" RES0402R 123.947,39.2 r270 top value=0 (schematic designator R44)
R45_I2C_MUX_1 "0402" RES0402R 50.974,56.099 r0 bottom value=10K (schematic designator R45)
R45_I2C_MUX_2 "0402" RES0402R 53.841,36.951 r270 bottom value=10K (schematic designator R45)
R45_I2C_MUX_3 "0402" RES0402R 119.226,53.148 r180 bottom value=10K (schematic designator R45)
R45_I2C_MUX_4 "0402" RES0402R 116.125,38.95 r180 bottom value=10K (schematic designator R45)
S1 "SW-PB" "PTS830GM140 SMTR LFS - Pushbutton" 105.852,37.491 r270 bottom
U1 "ATmega8A-AUR" QFP80P900X900X120-32 82.496,55.175 r0 bottom
U2 "TPS22975DSGR" DSG0008A 82.834,31.7 r180 bottom
U3 "Hex Buffer" SOP65P640X120-16N 94.347,39.816 r0 top
U4_I2C_MUX_1 "TCA9548ARGER" RGE0024C 48.6,59.425 r0 bottom (schematic designator U4)
U4_I2C_MUX_2 "TCA9548ARGER" RGE0024C 48.925,35.601 r180 bottom (schematic designator U4)
U4_I2C_MUX_3 "TCA9548ARGER" RGE0024C 118.599,59.378 r0 bottom (schematic designator U4)
U4_I2C_MUX_4 "TCA9548ARGER" RGE0024C 118.5,35.625 r180 bottom (schematic designator U4)
U5_PEX1 "MCP23017-QFN" QFN65P600X600X100-29 60.547,43.376 r270 bottom (schematic designator U5)
U5_PEX2 "MCP23017-QFN" QFN65P600X600X100-29 129.599,47.56 r270 bottom (schematic designator U5)
U6_TSL2591_11 "TSL25911FN" AMS-FN-6-2400X2000DE_V 27,60.25 r270 top (schematic designator U6)
U6_TSL2591_12 "TSL25911FN" AMS-FN-6-2400X2000DE_V 69.5,28.25 r0 top (schematic designator U6)
U6_TSL2591_13 "TSL25911FN" AMS-FN-6-2400X2000DE_V 97.492,66.75 r180 top (schematic designator U6)
U6_TSL2591_14 "TSL25911FN" AMS-FN-6-2400X2000DE_V 140,34.75 r90 top (schematic designator U6)
U6_TSL2591_21 "TSL25911FN" AMS-FN-6-2400X2000DE_V 33.5,66.75 r180 top (schematic designator U6)
U6_TSL2591_22 "TSL25911FN" AMS-FN-6-2400X2000DE_V 63.5,28.25 r0 top (schematic designator U6)
U6_TSL2591_23 "TSL25911FN" AMS-FN-6-2400X2000DE_V 103.492,66.75 r180 top (schematic designator U6)
U6_TSL2591_24 "TSL25911FN" AMS-FN-6-2400X2000DE_V 133.5,28.25 r0 top (schematic designator U6)
U6_TSL2591_31 "TSL25911FN" AMS-FN-6-2400X2000DE_V 39.5,66.75 r180 top (schematic designator U6)
U6_TSL2591_32 "TSL25911FN" AMS-FN-6-2400X2000DE_V 57.5,28.25 r0 top (schematic designator U6)
U6_TSL2591_33 "TSL25911FN" AMS-FN-6-2400X2000DE_V 109.492,66.75 r180 top (schematic designator U6)
U6_TSL2591_34 "TSL25911FN" AMS-FN-6-2400X2000DE_V 127.5,28.25 r0 top (schematic designator U6)
U6_TSL2591_41 "TSL25911FN" AMS-FN-6-2400X2000DE_V 45.5,66.75 r180 top (schematic designator U6)
U6_TSL2591_42 "TSL25911FN" AMS-FN-6-2400X2000DE_V 51.5,28.25 r0 top (schematic designator U6)
U6_TSL2591_43 "TSL25911FN" AMS-FN-6-2400X2000DE_V 115.492,66.75 r180 top (schematic designator U6)
U6_TSL2591_44 "TSL25911FN" AMS-FN-6-2400X2000DE_V 121.5,28.25 r0 top (schematic designator U6)
U6_TSL2591_51 "TSL25911FN" AMS-FN-6-2400X2000DE_V 51.5,66.75 r180 top (schematic designator U6)
U6_TSL2591_52 "TSL25911FN" AMS-FN-6-2400X2000DE_V 45.5,28.25 r0 top (schematic designator U6)
U6_TSL2591_53 "TSL25911FN" AMS-FN-6-2400X2000DE_V 121.492,66.75 r180 top (schematic designator U6)
U6_TSL2591_54 "TSL25911FN" AMS-FN-6-2400X2000DE_V 115.5,28.25 r0 top (schematic designator U6)
U6_TSL2591_61 "TSL25911FN" AMS-FN-6-2400X2000DE_V 57.5,66.75 r180 top (schematic designator U6)
U6_TSL2591_62 "TSL25911FN" AMS-FN-6-2400X2000DE_V 39.5,28.25 r0 top (schematic designator U6)
U6_TSL2591_63 "TSL25911FN" AMS-FN-6-2400X2000DE_V 127.492,66.75 r180 top (schematic designator U6)
U6_TSL2591_64 "TSL25911FN" AMS-FN-6-2400X2000DE_V 109.5,28.25 r0 top (schematic designator U6)
U6_TSL2591_71 "TSL25911FN" AMS-FN-6-2400X2000DE_V 63.5,66.75 r180 top (schematic designator U6)
U6_TSL2591_72 "TSL25911FN" AMS-FN-6-2400X2000DE_V 33.5,28.25 r0 top (schematic designator U6)
U6_TSL2591_73 "TSL25911FN" AMS-FN-6-2400X2000DE_V 133.492,66.75 r180 top (schematic designator U6)
U6_TSL2591_74 "TSL25911FN" AMS-FN-6-2400X2000DE_V 103.5,28.25 r0 top (schematic designator U6)
U6_TSL2591_81 "TSL25911FN" AMS-FN-6-2400X2000DE_V 69.5,66.75 r180 top (schematic designator U6)
U6_TSL2591_82 "TSL25911FN" AMS-FN-6-2400X2000DE_V 27,34.75 r270 top (schematic designator U6)
U6_TSL2591_83 "TSL25911FN" AMS-FN-6-2400X2000DE_V 140,60.249 r90 top (schematic designator U6)
U6_TSL2591_84 "TSL25911FN" AMS-FN-6-2400X2000DE_V 97.5,28.25 r0 top (schematic designator U6)
U7 "INA214CQDCKRQ1" "TI-SOT-SC70 (DCK)" 82.582,34.779 r0 bottom
Y1 "8MHz Crystal" OSCSC500X320X110-4N 74.25,57.94 r0 bottom

## Footprints (in the part's own frame and the unit in brackets; to place one, negate y for a bottom-side part, rotate by r counter-clockwise, add the part's x,y. Pads: shape width x height; smd on the part's side, far side on the other; paste and mask are expansions set on the pad)
AMS-FN-6-2400X2000DE_V [mm] "SON, 6-Leads, Body 2.4x2mm, Pitch 0.65mm"
  rect 1.2x0.35 smd mask+0.102: 1(-0.75,0.65) 2(-0.75,0) 3(-0.75,-0.65) 4(0.75,-0.65) 5(0.75,0) 6(0.75,0.65)
  silkscreen extent -2.15,0.4 -1.65,0.9, body extent -1,-1.2 1,1.2, height 0.7
CAP0402R [mm] "Capacitor 0402 reflow soldering"
  rect 0.45x0.6 smd mask+0: 1(-0.5,0) 2(0.5,0)
  body extent -0.5,-0.3 0.5,0.3, height 0.2
CAP0603R [mm] "capacitor 0603 reflow soldering"
  rect 0.6x0.8 smd mask+0: 1(-0.7,0) 2(0.7,0)
  body extent -0.8,-0.4 0.8,0.4, height 0.3
CAP0805R [mm] "capacitor 0805 reflow soldering"
  rect 0.8x1.3 smd mask+0: 1(-0.95,0) 2(0.95,0)
  silkscreen extent -0.2,-0.63 0.2,0.63, body extent -1,-0.62 1,0.62, height 0.78
DF13A-4P-1.25H(51) [mm] "4 pos, 1.25mm pitch DF13 connector (H125779CT-ND)"
  rect 0.7x1.8 smd: 1(-0.625,-1.956) 2(0.625,-1.956) 3(1.875,-1.956) 4(3.125,-1.956)
  rect 1.6x2.2 smd: ""(-2.975,1.344) ""(5.475,1.344)
  silkscreen extent -3.61,-2.46 6.06,4.04, body extent -3.61,-2.46 6.04,4.04, height 3.58
DSG0008A [mm]
  rect 0.5x0.25 smd: 1(-0.95,0.75) 2(-0.95,0.25) 3(-0.95,-0.25) 4(-0.95,-0.75) 5(0.95,-0.75) 6(0.95,-0.25) 7(0.95,0.25) 8(0.95,0.75)
  rect 0.9x1.6 smd: 9(0,0)
  silkscreen extent -2.03,0.5 -1.53,1, body extent -1,-1 1,1, height 0.77
"LB P4SG" [mm] "Footprint for a reverse-mount Osram LED"
  rect 0.5x0.7 smd mask+0.102: 1(-1.6,-0.375) 2(1.6,0.375)
  round 0.7 hole 2.1 unplated: ""(0,0)
  Top Layer region: 1.346,-0.711 2.4,-0.711 2.4,0.737 1.346,0.737
  Top Layer region: -2.406,-0.717 -1.353,-0.717 -1.353,0.731 -2.406,0.731
  silkscreen extent -1.88,0.33 -1.38,0.83
LED0603 [mm] "0603 LED footprint, thick line on the cathode"
  rect 0.7x0.9 smd: 1(-0.75,0) 2(0.75,0)
  silkscreen extent -1.32,-0.67 1.52,0.67, body extent -0.8,-0.4 0.8,0.4, height 0.71
OSCSC500X320X110-4N [mm] "ABM3B-8.000MHZ-10-D-1-G-T Abracon 8MHz crystal"
  rect 1.2x1.8 smd: 1(-1.2,2) 2(-1.2,-2) 3(1.2,-2) 4(1.2,2)
  silkscreen extent -2.15,-2.67 1.65,3.15, body extent -1.6,-2.5 1.58,2.5, height 1.1
"PTS830GM140 SMTR LFS - Pushbutton" [mm] "Low profile pushbutton"
  rect 0.7x0.75 smd: 1(-1.6,0.825) 1(1.6,0.825) 2(-1.6,-0.825) 2(1.6,-0.825)
  silkscreen extent -1.92,-1.17 1.92,1.15, body extent -1.75,-1.3 1.75,1.3, height 1.4
QFN65P600X600X100-29 [mm] "QFN + Pitch P + Body With X Body Length X Height - #Pins"
  rect 1.04x0.33 smd: 1(-2.835,1.95) 2(-2.835,1.3) 3(-2.835,0.65) 4(-2.835,0) 5(-2.835,-0.65) 6(-2.835,-1.3) 7(-2.835,-1.95) 15(2.835,-1.95) 16(2.835,-1.3) 17(2.835,-0.65) 18(2.835,0) 19(2.835,0.65) 20(2.835,1.3) 21(2.835,1.95)
  rect 0.33x1.04 smd: 8(-1.95,-2.835) 9(-1.3,-2.835) 10(-0.65,-2.835) 11(0,-2.835) 12(0.65,-2.835) 13(1.3,-2.835) 14(1.95,-2.835) 22(1.95,2.835) 23(1.3,2.835) 24(0.65,2.835) 25(0,2.835) 26(-0.65,2.835) 27(-1.3,2.835) 28(-1.95,2.835)
  rect 3.7x3.7 smd: 29(0,0)
  silkscreen extent -4.24,-3 3,3, body extent -3.05,-3.05 3.05,3.05, height 1
QFP80P900X900X120-32 [mm] "QFN + Pitch P + Body With X Body Length X Height - #Pins"
  rect 1.5x0.55 smd: 1(-4.3,2.8) 2(-4.3,2) 3(-4.3,1.2) 4(-4.3,0.4) 5(-4.3,-0.4) 6(-4.3,-1.2) 7(-4.3,-2) 8(-4.3,-2.8) 17(4.3,-2.8) 18(4.3,-2) 19(4.3,-1.2) 20(4.3,-0.4) 21(4.3,0.4) 22(4.3,1.2) 23(4.3,2) 24(4.3,2.8)
  rect 0.55x1.5 smd: 9(-2.8,-4.3) 10(-2,-4.3) 11(-1.2,-4.3) 12(-0.4,-4.3) 13(0.4,-4.3) 14(1.2,-4.3) 15(2,-4.3) 16(2.8,-4.3) 25(2.8,4.3) 26(2,4.3) 27(1.2,4.3) 28(0.4,4.3) 29(-0.4,4.3) 30(-1.2,4.3) 31(-2,4.3) 32(-2.8,4.3)
  silkscreen extent -3.1,2.38 -2.38,3.1, body extent -4.62,-4.62 4.63,4.63, height 1.2
RES0402R [mm] "resistor 0402 reflow soldering"
  rect 0.4x0.6 smd mask+0: 1(-0.45,0) 2(0.45,0)
  body extent -0.5,-0.25 0.5,0.25, height 0.3